# Altium PCB BE200.PcbDoc (part 6 of 6)
Units mm, origin at the board's own origin, x right, y up, seen from the top; angles counter-clockwise.
Board outline 91.25 x 134.75 mm, 4 copper layers (Top Layer, Mid-Top Layer, Mid-Bottom Layer, Bottom Layer); 574 components, 120 nets, 2403 pads, 3712 vias.
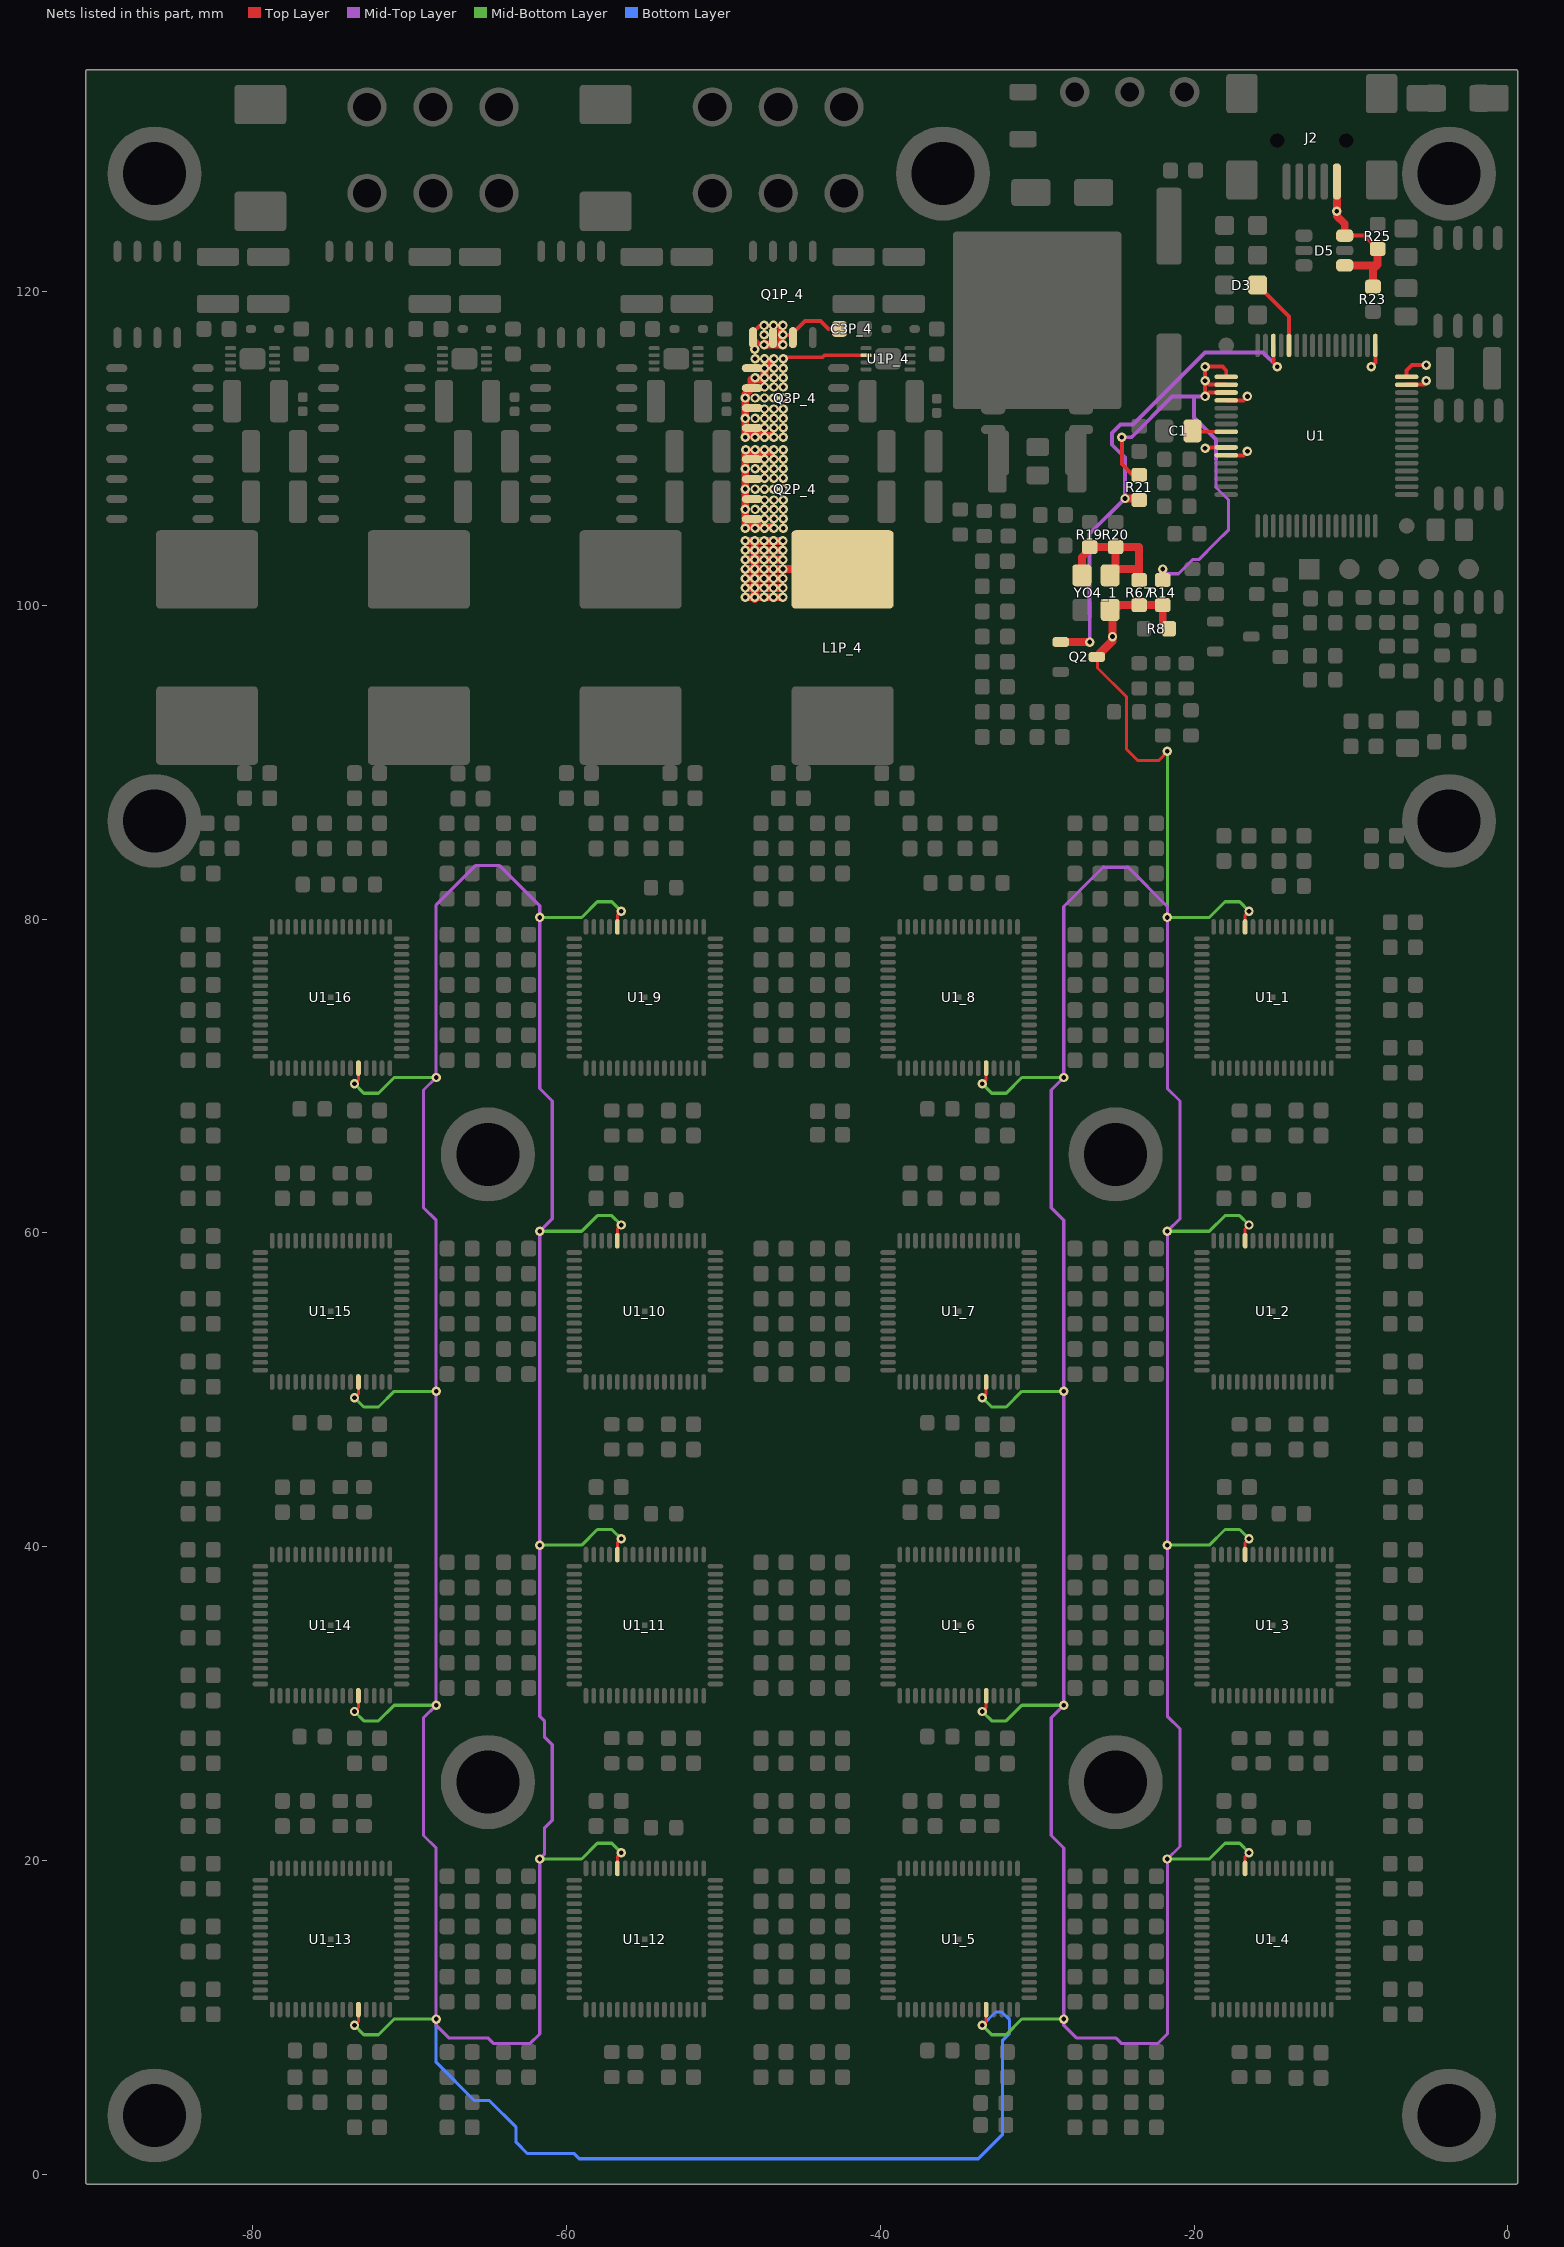
[diagram p8: the nets of this part, all layers, seen from the top]

## Via types
v1: diameter 0.6, hole 0.3, Top Layer to Bottom Layer, tented both sides, 3679 vias
v2: diameter 0.6/0.6/0.6/0.6 (per signal layer), hole 0.3, Top Layer to Bottom Layer, 33 vias

## Nets (pads, with @x,y where several pads share a name; then routed paths per layer and width w, separated by ;. In a path a pad name is that pad's centre, name@x,y a point inside that pad or via, vN(x,y) a via of type N, cw(c..) or ccw(c..) an arc to the next point about the centre after c; other vN are vias at no path point) (continued)
SWN4: C3P_4.2 L1P_4.1 Q1P_4.1 Q1P_4.2 Q1P_4.3 Q2P_4.5 Q2P_4.6 Q2P_4.7 Q2P_4.8 Q3P_4.5 Q3P_4.6 Q3P_4.7 Q3P_4.8 U1P_4.2 | length 54.8
  Top Layer w0.25: Q1P_4.1@-48.105,117.05 -47.655,116.6 v1(-47.4,116.6) ; Q1P_4.1@-48.1,117.4 -47.7,117.8 v1@-46.8,117.8 ; v1(-46.2,117.225) -45.675,117.225 -44.8,118.1 -43.8,118.1 -43.3,117.6 C3P_4.2@-42.6,117.6 ; v1@-46,115.8 -43.675,115.8 -43.55,115.925 U1P_4.2@-40.9,115.925
  Top Layer w0.5: v1(-48.6,100.5) v1@-46.175,100.5 ; v1(-48.6,101.1) v1@-46.175,101.1 ; v1(-48.6,101.7) v1@-46.175,101.7 ; v1(-48.6,102.9) v1@-46.175,102.9 ; v1(-48.6,103.5) v1@-46.175,103.5 ; v1(-48.6,104.1) v1@-46.175,104.1 ; v1@-48,100.4 v1(-48,104.1) ; v1(-47.4,116.6) v1@-46.3,116.6 ; v1@-46.975,109.8 -48.6,109.8 -48.6,105 v1@-46.875,105 ; v1@-46.975,115.6 -47.381,115.194 -47.381,114.469 -47.469,114.381 -48.194,114.381 -48.194,113.835 -48.6,113.429 -48.6,110.8 v1@-46.875,110.8 ; v1@-46.3,117.825 v1@-46.3,116.6 ; v1(-46.2,116.6) v1@-46.3,116.6 ; v1@-46.175,102.3 v1(-48.6,102.3) L1P_4.1@-44.4,102.3
  other v1: -48,100.5 -47.4,100.5 -46.8,100.5 -46.2,100.5 -48,101.1 -47.4,101.1 -46.8,101.1 -46.2,101.1 -48,101.7 -47.4,101.7 -46.8,101.7 -46.2,101.7 -48,102.3 -47.4,102.3 -46.8,102.3 -46.2,102.3 -48,102.9 -47.4,102.9 -46.8,102.9 -46.2,102.9 -48,103.5 -47.4,103.5 -46.8,103.5 -46.2,103.5 -47.4,104.1 -46.8,104.1 -46.2,104.1 -48.6,104.9 -47.975,104.9 -47.375,104.9 -46.775,104.9 -46.175,104.9 -47.375,105.5 -46.775,105.5 -46.175,105.5 -48.6,106.1 -47.975,106.1 -47.375,106.1 -46.775,106.1 -46.175,106.1 -47.375,106.7 -46.775,106.7 -46.175,106.7 -48.6,107.4 -47.975,107.4 -47.375,107.4 -46.775,107.4 -46.175,107.4 -47.375,108.1 -46.775,108.1 -46.175,108.1 -48.6,108.7 -47.975,108.7 -47.375,108.7 -46.775,108.7 -46.175,108.7 -47.375,109.3 -46.775,109.3 -46.175,109.3 -48.575,109.9 -47.975,109.9 -47.375,109.9 -46.775,109.9 -46.175,109.9 -48.6,110.7 -47.975,110.7 -47.375,110.7 -46.775,110.7 -46.175,110.7 -47.375,111.3 -46.775,111.3 -46.175,111.3 -48.6,111.9 -47.975,111.9 -47.375,111.9 -46.775,111.9 -46.175,111.9 -47.375,112.5 -46.775,112.5 -46.175,112.5 -48.6,113.2 -47.975,113.2 -47.375,113.2 -46.775,113.2 -46.175,113.2 -47.375,113.9 -46.775,113.9 -46.175,113.9 -47.975,114.5 -47.375,114.5 -46.775,114.5 -46.175,114.5 -47.375,115.1 -46.775,115.1 -46.175,115.1 -47.975,115.7 -47.375,115.7 -46.775,115.7 -46.175,115.7 -48,116.3 -47.4,117.225 -47.4,117.825 -46.8,117.825 -46.2,117.825
TPD4: U1.52 | length 1.1
  Top Layer w0.25: U1.52@-17.95,113.05 -16.85,113.05
  other v1: -16.6,113.3
TPF0: U1.58 | length 1.2
  Top Layer w0.25: v1@-19.1,110 -19.05,110.05 U1.58@-17.95,110.05
  other v1: -19.3,110
TPF1: U1.59 | length 1.5
  Top Layer w0.25: U1.59@-17.95,109.55 -16.85,109.55 v1(-16.6,109.8)
TPF3: U1.33 | length 1.5
  Top Layer w0.25: v1(-8.7,115.2) -8.45,115.45 U1.33@-8.45,116.55
U2RX: U1.31 | length 1.4
  Top Layer w0.25: U1.31@-6.45,114.05 -6.425,114.075 -5.325,114.075 -5.3,114.1 v1@-5.3,114.3
  other v1: -5.2,114.3
U2TX: U1.32 | length 1.7
  Top Layer w0.25: U1.32@-6.45,114.55 -6.45,114.95 -6.1,115.3 v1@-5.3,115.3
  other v1: -5.2,115.3
USB5.0V: D5.4 D5.6 J2.1 R23.1 R25.2 | length 10.7
  Top Layer w0.25: D5.6@-10.4,123.55 -9.15,123.55 R25.2@-8.3,122.7
  Top Layer w0.5: J2.1@-10.9,127.04 -10.9,126.9 v1(-10.9,125.1) -10.9,124.8 -10.4,124.3 D5.6@-10.4,123.55 ; D5.4@-10.4,121.65 -8.35,121.65 ; R23.1@-8.6,120.3 -8.6,121.4 -8.35,121.65 ; R25.2@-8.3,122.7 -8.3,121.7 -8.35,121.65
VCAP: C1.1 U1.56 | length 2
  Top Layer w0.25: C1.1@-19.9,111.1 -19.85,111.05 U1.56@-17.95,111.05
VDDOSC: R19.1 R20.1 R67.2 YO4_1.1 YO4_1.4 | length 10.3
  Top Layer w0.5: YO4_1.1@-27,101.75 YO4_1.1@-27.15,101.9 -27.15,103.05 -26.5,103.7 R20.1@-25,103.7 ; R67.2@-23.619,101.784 R67.2@-23.5,101.903 ; R67.2@-23.5,101.85 -23.5,103.7 R20.1@-25,103.7 ; -23.5,102.3 -24.95,102.3 -25,102.25 R20.1@-25,103.7
XCLK0: Q2.1 R21.1 U1.46 | length 32.1
  Top Layer w0.25: U1.46@-14.95,116.55 -14.95,115.45 v1(-14.7,115.2)
  Top Layer w0.5: Q2.1@-28.5,97.65 v1(-26.65,97.65) ; v1(-24.4,106.8) -23.9,106.8 -23.8,106.7 R21.1@-23.5,106.7
  Mid-Top Layer w0.2: v1(-26.65,97.65) -26.65,99.4 ; v1@-24.4,106.6 v1(-24.4,106.8)
  Mid-Top Layer w0.25: -26.65,99.4 -26.65,104.55 v1(-24.4,106.8) -24.4,109.4 -25.225,110.225 -25.225,110.975 -24.7,111.5 -23.899,111.5 -22.4,112.999 -19.299,116.1 -15.6,116.1 v1(-14.7,115.2)
XCLK1: R14.2 R21.2 U1.49 U1.50 U1.51 | length 31.7
  Top Layer w0.25: v1(-24.6,110.7) -24.6,108.984 -23.916,108.3 R21.2@-23.5,108.3 ; R14.2@-22,101.6 v1(-22,102.3) ; U1.51@-17.95,113.55 -19.05,113.55 v1(-19.3,113.3) v1(-19.3,114.3) ; U1.50@-17.95,114.05 -19.05,114.05 v1(-19.3,114.3) ; U1.49@-17.95,114.55 -17.95,114.95 -18.2,115.2 v1(-19.3,115.2) v1(-19.3,114.3)
  Mid-Top Layer w0.2: v1(-22,102.3) -21.7,102 -20.996,102 -20.096,102.9 -19.7,102.9 -18.6,104 -18.6,104.001 -17.8,104.801 -17.8,106.7 -18.6,107.5 -18.6,109.3
  Mid-Top Layer w0.25: v1(-24.6,110.7) -24,110.7 -21.4,113.3 -20,113.3 ; v1(-19.3,113.3) -20,113.3 ; -18.6,109.3 -18.6,110.55 -20,111.95 -20,113.3
XCLKIN: Q2.3 R8.1 R14.1 R67.1 U1_1.12 U1_2.12 U1_3.12 U1_4.12 U1_5.12 U1_6.12 U1_7.12 U1_8.12 U1_9.12 U1_10.12 U1_11.12 U1_12.12 U1_13.12 U1_14.12 U1_15.12 U1_16.12 YO4_1.3 | length 518.3
  Top Layer w0.2: v1(-73.5,9.5) -73.25,9.75 U1_13.12@-73.25,10.5 ; v1(-73.5,29.5) -73.25,29.75 U1_14.12@-73.25,30.5 ; v1(-73.5,49.5) -73.25,49.75 U1_15.12@-73.25,50.5 ; v1(-73.5,69.5) -73.25,69.75 U1_16.12@-73.25,70.5 ; U1_12.12@-56.75,19.5 -56.75,20.25 v1(-56.5,20.5) ; U1_11.12@-56.75,39.5 -56.75,40.25 v1(-56.5,40.5) ; U1_10.12@-56.75,59.5 -56.75,60.25 v1(-56.5,60.5) ; U1_9.12@-56.75,79.5 -56.75,80.25 v1(-56.5,80.5) ; v1(-33.5,9.5) -33.25,9.75 U1_5.12@-33.25,10.5 ; v1(-33.5,29.5) -33.25,29.75 U1_6.12@-33.25,30.5 ; v1(-33.5,49.5) -33.25,49.75 U1_7.12@-33.25,50.5 ; v1(-33.5,69.5) -33.25,69.75 U1_8.12@-33.25,70.5 ; v1(-25.2,98) -26.15,97.05 -26.15,96 -24.3,94.15 -24.3,90.8 -23.6,90.1 -22.251,90.1 -21.7,90.651 v1(-21.7,90.7) ; U1_4.12@-16.75,19.5 -16.75,20.25 v1(-16.5,20.5) ; U1_3.12@-16.75,39.5 -16.75,40.25 v1(-16.5,40.5) ; U1_2.12@-16.75,59.5 -16.75,60.25 v1(-16.5,60.5) ; U1_1.12@-16.75,79.5 -16.75,80.25 v1(-16.5,80.5)
  Top Layer w0.5: Q2.3@-26.2,96.7 -25.2,97.7 -25.2,99.55 -25.15,99.6 -24.75,100 R67.1@-23.5,100 R14.1@-22,100 -22,98.9 R8.1@-21.6,98.5
  Mid-Top Layer w0.2: -21.7,9.2 -21.7,9.4 ; -21.7,9.4 v1(-21.7,20.1) -20.9,20.9 -20.9,28.4 -21.7,29.2 v1(-21.7,60.1) -20.9,60.9 -20.9,68.4 -21.7,69.2 v1(-21.7,80.1) -21.7,80.8 -24.2,83.3 -25.8,83.3 -28.3,80.8 v1(-28.3,69.9) -29.1,69.1 -29.1,61.6 -28.3,60.8 v1(-28.3,29.9) -29.1,29.1 -29.1,21.6 -28.3,20.8 v1(-28.3,9.9) -28.3,9.5 -27.5,8.7 -25,8.7 -24.65,8.35 -22.301,8.35 -21.7,8.951 -21.7,9.4 ; -69.1,21.6 -69.1,29.1 v1(-68.3,29.9) -68.3,60.8 -69.1,61.6 -69.1,69.1 v1(-68.3,69.9) -68.3,80.9 -65.8,83.4 -64.25,83.4 -61.7,80.85 v1(-61.7,80.1) -61.7,69.2 -60.9,68.4 -60.9,60.9 v1(-61.7,60.1) v1(-61.7,40.1) -61.7,29.2 -61.4,28.9 -61.4,27.884 -60.9,27.384 -60.9,22.566 -61.4,22.066 -61.4,20.4 v1(-61.7,20.1) -61.7,8.951 -62.301,8.35 -64.65,8.35 -65,8.7 -67.5,8.7 -68.3,9.5 v1(-68.3,9.9) -68.3,20.8 -69.1,21.6
  Mid-Bottom Layer w0.2: v1(-73.5,9.5) -72.9,8.9 -71.975,8.9 -70.975,9.9 v1(-68.3,9.9) ; v1(-73.5,29.5) -72.9,28.9 -71.975,28.9 -70.975,29.9 v1(-68.3,29.9) ; v1(-73.5,49.5) -72.9,48.9 -71.975,48.9 -70.975,49.9 v1(-68.3,49.9) ; v1(-73.5,69.5) -72.9,68.9 -71.975,68.9 -70.975,69.9 v1(-68.3,69.9) ; v1(-61.7,20.1) -59.025,20.1 -58.025,21.1 -57.1,21.1 v1(-56.5,20.5) ; v1(-61.7,40.1) -59.025,40.1 -58.025,41.1 -57.1,41.1 v1(-56.5,40.5) ; v1(-61.7,60.1) -59.025,60.1 -58.025,61.1 -57.1,61.1 v1(-56.5,60.5) ; v1(-61.7,80.1) -59.025,80.1 -58.025,81.1 -57.1,81.1 v1(-56.5,80.5) ; v1(-33.5,9.5) -32.9,8.9 -31.975,8.9 -30.975,9.9 v1(-28.3,9.9) ; v1(-33.5,29.5) -32.9,28.9 -31.975,28.9 -30.975,29.9 v1(-28.3,29.9) ; v1(-33.5,49.5) -32.9,48.9 -31.975,48.9 -30.975,49.9 v1(-28.3,49.9) ; v1(-33.5,69.5) -32.9,68.9 -31.975,68.9 -30.975,69.9 v1(-28.3,69.9) ; v1(-21.7,20.1) -19.025,20.1 -18.025,21.1 -17.1,21.1 v1(-16.5,20.5) ; v1(-21.7,40.1) -19.025,40.1 -18.025,41.1 -17.1,41.1 v1(-16.5,40.5) ; v1(-21.7,60.1) -19.025,60.1 -18.025,61.1 -17.1,61.1 v1(-16.5,60.5) ; v1(-21.7,90.7) v1(-21.7,80.1) -19.025,80.1 -18.025,81.1 -17.1,81.1 v1(-16.5,80.5)
  Bottom Layer w0.2: v1(-68.3,9.9) -68.3,7.149 -65.851,4.7 -64.9,4.7 -63.2,3 -63.2,2.049 -62.476,1.325 -59.5,1.325 -59.175,1 -33.75,1 -32.2,2.55 -32.2,8.55 -31.75,9 -31.75,9.85 -32.25,10.35 -32.65,10.35 v1(-33.5,9.5)
YELLOW: D3.2 U1.44 | length 4.7
  Top Layer w0.25: D3.2@-15.95,120.4 -13.95,118.4 U1.44@-13.95,116.55
pads on no net: J2.4 J2.10 J2.11 U1.65 U1.66 U6.2 U6.3 U6.4 U7.2 U7.3 U7.4 U8.3 U8.4
copper on no net: | length 215
  Top Layer w0.5: -81.2,11 v1(-80.3,11) ; -81.2,19 v1(-80.3,19) ; -81.2,23 -79.4,23 ; -81.2,27 v1(-80.3,27) ; -81.2,31 v1(-80.3,31) ; -81.2,39 v1(-80.3,39) ; -81.2,43 v1(-80.3,43) ; -81.2,47 v1(-80.3,47) ; -81.2,51 v1(-80.3,51) ; -81.2,59 v1(-80.3,59) ; -81.2,63 -79.4,63 ; -81.2,67 v1(-80.3,67) ; -81.2,71.8 v1(-80.3,71.8) ; -81.2,78.3 v1(-80.3,78.3) ; -81.2,82.1 v1(-80.3,82.1) ; -80.8,10.4 v1(-80.3,10.4) ; -80.8,11.6 v1(-80.3,11.6) ; -80.8,18.4 v1(-80.3,18.4) ; -80.8,19.6 v1(-80.3,19.6) ; -80.8,22.4 v1(-80.3,22.4) -79.8,22.4 ; -80.8,23.6 v1(-80.3,23.6) -79.8,23.6 ; -80.8,26.4 v1(-80.3,26.4) ; -80.8,27.6 v1(-80.3,27.6) ; -80.8,30.4 v1(-80.3,30.4) ; -80.8,31.6 v1(-80.3,31.6) ; -80.8,38.4 v1(-80.3,38.4) ; -80.8,39.6 v1(-80.3,39.6) ; -80.8,42.4 v1(-80.3,42.4) ; -80.8,43.6 v1(-80.3,43.6) ; -80.8,46.4 v1(-80.3,46.4) ; -80.8,47.6 v1(-80.3,47.6) ; -80.8,50.4 v1(-80.3,50.4) ; -80.8,51.6 v1(-80.3,51.6) ; -80.8,58.4 v1(-80.3,58.4) ; -80.8,59.6 v1(-80.3,59.6) ; -80.8,62.4 v1(-80.3,62.4) -79.8,62.4 ; -80.8,63.6 v1(-80.3,63.6) -79.8,63.6 ; -80.8,66.4 v1(-80.3,66.4) ; -80.8,67.6 v1(-80.3,67.6) ; -80.8,71.2 v1(-80.3,71.2) ; -80.8,72.4 v1(-80.3,72.4) ; -80.8,77.7 v1(-80.3,77.7) ; -80.8,78.9 v1(-80.3,78.9) ; -80.8,81.5 v1(-80.3,81.5) ; -80.8,82.7 v1(-80.3,82.7) ; v1@-80.3,42.3 -79.8,42.3 ; v1@-80.3,42.9 -79.4,42.9 ; v1@-80.3,43.5 -79.8,43.5 ; -80.101,85.3 v1(-79.201,85.3) -78.301,85.3 ; -79.651,84.7 -78.701,84.7 ; -79.651,85.9 -78.701,85.9 ; -70.701,85.3 v1(-69.801,85.3) -68.901,85.3 ; -70.7,7 v1(-69.8,7) -68.9,7 ; -70.7,47 -68.9,47 ; -70.6,3.8 v1(-69.7,3.8) -68.8,3.8 ; -70.25,6.4 -69.3,6.4 ; -70.25,7.6 -69.3,7.6 ; -70.25,46.4 -69.3,46.4 ; -70.25,47.6 -69.3,47.6 ; -70.251,84.7 -69.301,84.7 ; -70.251,85.9 -69.301,85.9 ; -70.15,3.2 -69.2,3.2 ; -70.15,4.4 -69.2,4.4 ; v1@-69.8,42.4 -69.3,42.4 ; v1@-69.8,43 -68.9,43 ; v1@-69.8,43.6 -69.3,43.6 ; v1(-69.8,82.1) -68.9,82.1 ; v1(-69.8,82.7) -69.3,82.7 ; v1(-69.8,83.3) -69.3,83.3 ; -66,43 v1(-65.1,43) -64.2,43 ; -65.9,47 v1(-65,47) -64.1,47 ; -65.55,42.4 -64.6,42.4 ; -65.55,43.6 -64.6,43.6 ; -65.45,46.4 -64.5,46.4 ; -65.45,47.6 -64.5,47.6 ; -61.2,43 v1(-60.3,43) -59.4,43 ; -61.2,82.1 v1(-60.3,82.1) ; -61.2,85.3 v1(-60.3,85.3) -59.4,85.3 ; -61.1,7 v1(-60.2,7) ; -61.1,47 v1@-60.2,47 ; -60.75,42.4 -59.8,42.4 ; -60.75,43.6 -59.8,43.6 ; -60.75,81.5 v1(-60.3,81.5) ; -60.75,82.7 v1(-60.3,82.7) ; -60.75,84.7 -59.8,84.7 ; -60.75,85.9 -59.8,85.9 ; -60.7,6.4 v1(-60.2,6.4) ; -60.7,7.6 v1(-60.2,7.6) ; -60.7,46.4 v1@-60.2,46.4 ; -60.7,47.6 v1@-60.2,47.6 ; -50.7,7 v1(-49.8,7) -48.9,7 ; -50.7,27 -48.9,27 ; -50.7,47 -48.9,47 ; -50.7,67 -48.9,67 ; -50.25,6.4 -49.3,6.4 ; -50.25,7.6 -49.3,7.6 ; -50.25,26.4 v1@-49.3,26.4 ; -50.25,27.6 v1@-49.3,27.6 ; -50.25,46.4 -49.3,46.4 ; -50.25,47.6 -49.3,47.6 ; -50.25,66.4 v1@-49.3,66.4 ; -50.25,67.6 v1@-49.3,67.6 ; v1@-49.8,22.4 -49.3,22.4 ; v1@-49.8,23 -48.9,23 ; v1@-49.8,23.6 -49.3,23.6 ; v1@-49.8,42.4 -49.3,42.4 ; v1@-49.8,43 -48.9,43 ; v1@-49.8,43.6 -49.3,43.6 ; v1@-49.8,62.4 v1@-49.3,62.4 ; v1@-49.8,63 -48.9,63 ; v1@-49.8,63.6 v1@-49.3,63.6 ; v1(-49.8,81.5) -49.3,81.5 ; v1(-49.8,82.1) -48.9,82.1 ; v1(-49.8,82.7) -49.3,82.7 ; v1(-49.8,84.7) -49.3,84.7 ; v1(-49.8,85.3) -48.9,85.3 ; v1(-49.8,85.9) -49.3,85.9 ; -45.9,43 v1(-45,43) -44.1,43 ; -45.9,47 v1(-45,47) -44.1,47 ; -45.9,63 v1(-45,63) -44.1,63 ; -45.45,42.4 -44.5,42.4 ; -45.45,43.6 -44.5,43.6 ; -45.45,46.4 -44.5,46.4 ; -45.45,47.6 -44.5,47.6 ; -45.45,62.4 -44.5,62.4 ; -45.45,63.6 -44.5,63.6 ; -41.2,43 v1(-40.3,43) -39.4,43 ; -41.2,63 v1(-40.3,63) -39.4,63 ; -41.2,82.1 -41.1,82.1 ; -41.2,85.3 v1(-40.3,85.3) -39.4,85.3 ; -41.1,7 v1(-40.2,7) ; -41.1,27 v1@-40.2,27 ; -41.1,47 v1@-40.2,47 ; -41.1,67 v1@-40.2,67 ; -41,23 -39.2,23 ; -40.75,42.4 -39.8,42.4 ; -40.75,43.6 -39.8,43.6 ; -40.75,62.4 -39.8,62.4 ; -40.75,63.6 -39.8,63.6 ; -40.75,84.7 -39.8,84.7 ; -40.75,85.9 -39.8,85.9 ; -40.7,6.4 v1(-40.2,6.4) ; -40.7,7.6 v1(-40.2,7.6) ; -40.7,26.4 v1@-40.2,26.4 ; -40.7,27.6 v1@-40.2,27.6 ; -40.7,46.4 v1@-40.2,46.4 ; -40.7,47.6 v1@-40.2,47.6 ; -40.7,66.4 v1@-40.2,66.4 ; -40.7,67.6 v1@-40.2,67.6 ; -40.55,22.4 -39.6,22.4 ; -40.55,23.6 -39.6,23.6 ; v1(-40.3,82.1) -41.1,82.1 ; v1(-40.3,83.3) -40.3,82.9 -41.1,82.1 ; v1(-35.7,91.8) -35.2,91.8 ; v1(-35.7,92.4) -34.8,92.4 ; v1(-35.7,93) -35.2,93 ; v1(-35.7,95) -35.2,95 ; v1(-35.7,95.6) -34.8,95.6 ; v1(-35.7,96.2) -35.2,96.2 ; v1(-35.7,98.2) -35.2,98.2 ; v1(-35.7,98.8) -34.8,98.8 ; v1(-35.7,99.4) -35.2,99.4 ; -30.7,7 v1(-29.8,7) -28.9,7 ; -30.7,47 -28.9,47 ; -30.25,6.4 -29.3,6.4 ; -30.25,7.6 -29.3,7.6 ; -30.25,46.4 -29.3,46.4 ; -30.25,47.6 -29.3,47.6 ; v1@-29.8,42.4 -29.3,42.4 ; v1@-29.8,43 -28.9,43 ; v1@-29.8,43.6 -29.3,43.6 ; v1(-29.8,82.1) -28.9,82.1 ; v1(-29.8,82.7) -29.3,82.7 ; v1(-29.8,83.3) -29.3,83.3 ; v1(-29.8,84.7) -29.3,84.7 ; v1(-29.8,85.3) -28.9,85.3 ; v1(-29.8,85.9) -29.3,85.9 ; -27.3,91.15 -27.05,90.9 v1(-26.2,90.9) ; -26.876,91.574 -26.801,91.5 v1(-26.2,91.5) ; -26.7,92.1 v1(-26.2,92.1) ; -25.9,43 v1(-25,43) -24.1,43 ; -25.85,47 v1(-24.95,47) -24.05,47 ; -25.45,42.4 -24.5,42.4 ; -25.45,43.6 -24.5,43.6 ; -25.4,46.4 -24.45,46.4 ; -25.4,47.6 -24.45,47.6 ; -21.2,43 v1(-20.3,43) -19.4,43 ; -21.1,7 v1(-20.2,7) ; -21.1,82.1 v1(-20.2,82.1) ; -21.1,85.3 v1(-20.2,85.3) ; -21.05,47 v1(-20.15,47) ; -20.75,42.4 -19.8,42.4 ; -20.75,43.6 -19.8,43.6 ; -20.7,6.4 v1(-20.2,6.4) ; -20.7,7.6 v1(-20.2,7.6) ; -20.7,81.5 v1(-20.2,81.5) ; -20.7,82.7 v1(-20.2,82.7) ; -20.7,84.7 v1(-20.2,84.7) ; -20.7,85.9 v1(-20.2,85.9) ; -20.65,46.4 v1(-20.15,46.4) ; -20.65,47.6 v1(-20.15,47.6) ; -11.8,84.5 v1(-10.9,84.5) -10,84.5 ; -11.35,83.9 -10.4,83.9 ; -11.35,85.1 -10.4,85.1 ; -10.6,7 v1(-9.7,7) ; -10.6,27 v1(-9.7,27) -8.8,27 ; -10.6,47 v1(-9.7,47) -8.8,47 ; -10.6,67 v1(-9.7,67) -8.8,67 ; -10.2,6.4 v1(-9.7,6.4) ; -10.2,7.6 v1(-9.7,7.6) ; -10.2,26.4 v1(-9.7,26.4) -9.2,26.4 ; -10.2,27.6 v1(-9.7,27.6) -9.2,27.6 ; -10.2,46.4 v1(-9.7,46.4) -9.2,46.4 ; -10.2,47.6 v1(-9.7,47.6) -9.2,47.6 ; -10.2,66.4 v1(-9.7,66.4) -9.2,66.4 ; -10.2,67.6 v1(-9.7,67.6) -9.2,67.6 ; v1(-9.7,10.4) -9.2,10.4 ; v1(-9.7,11) -8.8,11 ; v1(-9.7,11.6) -9.2,11.6 ; v1(-9.7,18.4) -9.2,18.4 ; v1(-9.7,19) -8.8,19 ; v1(-9.7,19.6) -9.2,19.6 ; v1(-9.7,22.4) -9.2,22.4 ; v1(-9.7,23) -8.8,23 ; v1(-9.7,23.6) -9.2,23.6 ; v1(-9.7,30.4) -9.2,30.4 ; v1(-9.7,31) -8.8,31 ; v1(-9.7,31.6) -9.2,31.6 ; v1(-9.7,38.4) -9.2,38.4 ; v1(-9.7,39) -8.8,39 ; v1(-9.7,39.6) -9.2,39.6 ; v1(-9.7,42.4) -9.2,42.4 ; v1(-9.7,43) -8.8,43 ; v1(-9.7,43.6) -9.2,43.6 ; v1(-9.7,50.4) -9.2,50.4 ; v1(-9.7,51) -8.8,51 ; v1(-9.7,51.6) -9.2,51.6 ; v1(-9.7,58.4) -9.2,58.4 ; v1(-9.7,59) -8.8,59 ; v1(-9.7,59.6) -9.2,59.6 ; v1(-9.7,62.4) -9.2,62.4 ; v1(-9.7,63) -8.8,63 ; v1(-9.7,63.6) -9.2,63.6 ; v1(-9.7,70.4) -9.2,70.4 ; v1(-9.7,71) -8.8,71 ; v1(-9.7,71.6) -9.2,71.6 ; v1(-9.7,78.4) -9.2,78.4 ; v1(-9.7,79) -8.8,79 ; v1(-9.7,79.6) -9.2,79.6
  other v1: -69.7,3.2 -69.7,4.4 -69.8,6.4 -49.8,6.4 -29.8,6.4 -69.8,7.6 -49.8,7.6 -29.8,7.6 -49.65,22.4 -40.25,22.4 -80.3,23 -49.65,23 -40.25,23 -49.65,23.6 -40.25,23.6 -49.5,26.4 -40.35,26.4 -49.5,27 -40.35,27 -49.5,27.6 -40.35,27.6 -69.65,42.4 -65.1,42.4 -60.3,42.4 -49.7,42.4 -45,42.4 -40.3,42.4 -29.65,42.4 -25,42.4 -20.3,42.4 -69.65,43 -49.7,43 -29.65,43 -69.65,43.6 -65.1,43.6 -60.3,43.6 -49.7,43.6 -45,43.6 -40.3,43.6 -29.65,43.6 -25,43.6 -20.3,43.6 -69.65,46.4 -65,46.4 -60.35,46.4 -49.7,46.4 -45,46.4 -40.35,46.4 -29.65,46.4 -24.95,46.4 -69.65,47 -60.35,47 -49.7,47 -40.35,47 -29.65,47 -69.65,47.6 -65,47.6 -60.35,47.6 -49.7,47.6 -45,47.6 -40.35,47.6 -29.65,47.6 -24.95,47.6 -49.5,62.4 -45,62.4 -40.3,62.4 -80.3,63 -49.5,63 -49.5,63.6 -45,63.6 -40.3,63.6 -49.5,66.4 -40.35,66.4 -49.5,67 -40.35,67 -49.5,67.6 -40.35,67.6 -40.3,82.7 -10.9,83.9 -79.201,84.7 -69.801,84.7 -60.3,84.7 -40.3,84.7 -10.9,85.1 -79.201,85.9 -69.801,85.9 -60.3,85.9 -40.3,85.9

## Polygon pours and split planes (outlines as drawn)
GND on Top Layer "PSGNDT" (solid, pour order 80): -83.95,116.4 -79.1,116.4 -79.1,114.85 -79.8,114.15 -79.8,111.4 -79.5,111.1 -79.5,104.8 -83.95,104.8
0.8V on Top Layer "PS0.8VT" (solid, remove dead copper, pour order 84): -90,89.7 -76,89.7 -76,115 -90,115
GND on Top Layer "CONGNDT" (solid, pour order 88): -89.5,123.5 -84,129 -36,129 -36,134 -89.5,134
12V on Top Layer "PS12VT" (solid, pour order 89): -89.5,118.5 -36,118.5 -36,127.5 -36,129 -84,129 -89.5,123.5
SWN1 on Top Layer "SWNT" (solid, pour order 52): -83.95,116.15 -85.05,116.15 -85.35,116.45 -85.45,116.55 -85.45,117.4 -85.45,117.8 -85.75,118.1 -88.85,118.1 -89.35,117.6 -89.35,115.15 -89.35,99.75 -83.95,99.75
SWN2 on Top Layer "SWNT" (solid, pour order 53): -70.45,116.15 -71.55,116.15 -71.85,116.45 -71.95,116.55 -71.95,117.4 -71.95,117.8 -72.25,118.1 -75.35,118.1 -75.85,117.6 -75.85,115.15 -75.85,99.75 -70.45,99.75
0.8V on Top Layer "PS0.8VT" (solid, remove dead copper, pour order 85): -76.5,89.7 -62.5,89.7 -62.5,115 -76.5,115
GND on Top Layer "PSGNDT" (solid, pour order 81): -70.45,116.4 -65.6,116.4 -65.6,114.85 -66.3,114.15 -66.3,111.4 -66,111.1 -66,104.8 -70.45,104.8
SWN3 on Top Layer "SWNT" (solid, pour order 54): -56.95,116.15 -58.05,116.15 -58.35,116.45 -58.45,116.55 -58.45,117.4 -58.45,117.8 -58.75,118.1 -61.85,118.1 -62.35,117.6 -62.35,115.15 -62.35,99.75 -56.95,99.75
0.8V on Top Layer "PS0.8VT" (solid, remove dead copper, pour order 86): -63,89.7 -49,89.7 -49,115 -63,115
GND on Top Layer "PSGNDT" (solid, pour order 82): -56.95,116.4 -52.1,116.4 -52.1,114.85 -52.8,114.15 -52.8,111.4 -52.5,111.1 -52.5,104.8 -56.95,104.8
GND on Top Layer "PSGNDT" (solid, pour order 83): -43.45,116.4 -38.6,116.4 -38.6,114.85 -39.3,114.15 -39.3,111.4 -39,111.1 -39,104.8 -43.45,104.8
0.8V on Top Layer "PS0.8VT" (solid, remove dead copper, pour order 87): -49.5,89.7 -35.5,89.7 -35.5,115 -49.5,115
SWN4 on Top Layer "SWNT" (solid, pour order 55): -43.45,116.15 -44.55,116.15 -44.85,116.45 -44.95,116.55 -44.95,117.4 -44.95,117.8 -45.25,118.1 -48.35,118.1 -48.85,117.6 -48.85,115.15 -48.85,99.75 -43.45,99.75
0.8V on Top Layer "ASIC0.8T" (solid, remove dead copper, pour order 91): -90.5,-0.6 0.5,-0.6 0.5,94.6 -90.5,94.6
GND on Top Layer "GNDT" (solid, remove dead copper, pour order 96): -90.5,134 0.5,134 0.5,-0.6 -90.5,-0.6
0.8V on Top Layer "Meas0.8VT" (solid, remove dead copper, pour order 92): -36.3,107.4 -33.2,107.4 -29.3,107.4 -26.1,107.4 -26.1,89.2 -36.3,89.2
GND on Mid-Bottom Layer "PSGNDMB" (solid, pour order 76): -83.95,116.4 -79.1,116.4 -79.1,114.85 -79.8,114.15 -79.8,111.4 -79.5,111.1 -79.5,104.8 -83.95,104.8
SWN1 on Mid-Bottom Layer "SWNMB" (solid, pour order 56): -83.95,116.15 -85.05,116.15 -85.35,116.45 -85.45,116.55 -85.45,117.4 -85.45,117.8 -85.75,118.1 -88.85,118.1 -89.35,117.6 -89.35,115.15 -89.35,99.75 -83.95,99.75
SWN2 on Mid-Bottom Layer "SWNMB" (solid, pour order 57): -70.45,116.15 -71.55,116.15 -71.85,116.45 -71.95,116.55 -71.95,117.4 -71.95,117.8 -72.25,118.1 -75.35,118.1 -75.85,117.6 -75.85,115.15 -75.85,99.75 -70.45,99.75
SWN3 on Mid-Bottom Layer "SWNMB" (solid, pour order 58): -56.95,116.15 -58.05,116.15 -58.35,116.45 -58.45,116.55 -58.45,117.4 -58.45,117.8 -58.75,118.1 -61.85,118.1 -62.35,117.6 -62.35,115.15 -62.35,99.75 -56.95,99.75
GND on Mid-Bottom Layer "PSGNDMB" (solid, pour order 78): -56.95,116.4 -52.1,116.4 -52.1,114.85 -52.8,114.15 -52.8,111.4 -52.5,111.1 -52.5,104.8 -56.95,104.8
GND on Mid-Bottom Layer "PSGNDMB" (solid, pour order 79): -43.45,116.4 -38.6,116.4 -38.6,114.85 -39.3,114.15 -39.3,111.4 -39,111.1 -39,104.8 -43.45,104.8
SWN4 on Mid-Bottom Layer "SWNMB" (solid, pour order 59): -43.45,116.15 -44.55,116.15 -44.85,116.45 -44.95,116.55 -44.95,117.4 -44.95,117.8 -45.25,118.1 -48.35,118.1 -48.85,117.6 -48.85,115.15 -48.85,99.75 -43.45,99.75
GND on Mid-Bottom Layer "PSGNDMB" (solid, pour order 77): -70.45,116.4 -65.6,116.4 -65.6,114.85 -66.3,114.15 -66.3,111.4 -66,111.1 -66,104.8 -70.45,104.8
GND on Mid-Bottom Layer "GNDMB" (solid, remove dead copper, pour order 97): -90.5,134 0.4,134 0.5,134 0.5,-0.636 -90.49,-0.636 -90.5,-0.625
0.8V on Mid-Bottom Layer "GNDMB" (solid, remove dead copper, pour order 101): -90.45,134 0.45,134 0.55,134 0.55,-0.636 -90.44,-0.636 -90.45,-0.625
12V on Mid-Bottom Layer "PS12VMB" (solid, remove dead copper, pour order 95): -90.5,118.5 -83.9,118.5 -83.9,120.8 -76,120.8 -76,120.5 -70.4,120.5 -36,120.5 -36,129 -84,129 -90.5,122.5
12V on Mid-Top Layer "12VMTFix" (solid, remove dead copper, pour order 102): -90.5,120.2 -43.2,120.2 -43.2,124.8 -90.5,124.8
GND on Mid-Top Layer "PSGNDMT" (solid, pour order 72): -83.95,116.4 -79.1,116.4 -79.1,114.85 -79.8,114.15 -79.8,111.4 -79.5,111.1 -79.5,104.8 -83.95,104.8
SWN1 on Mid-Top Layer "SWNMT" (solid, pour order 64): -83.95,116.15 -85.05,116.15 -85.35,116.45 -85.45,116.55 -85.45,117.4 -85.45,117.8 -85.75,118.1 -88.85,118.1 -89.35,117.6 -89.35,115.15 -89.35,99.75 -83.95,99.75
0.8V on Mid-Top Layer "MidTopASIC0.8" (solid, remove dead copper, pour order 90): -90.5,-0.6 0.5,-0.6 0.5,94.6 -90.5,94.6
SWN2 on Mid-Top Layer "SWNMT" (solid, pour order 65): -70.45,116.15 -71.55,116.15 -71.85,116.45 -71.95,116.55 -71.95,117.4 -71.95,117.8 -72.25,118.1 -75.35,118.1 -75.85,117.6 -75.85,115.15 -75.85,99.75 -70.45,99.75
GND on Mid-Top Layer "PSGNDMT" (solid, pour order 73): -70.45,116.4 -65.6,116.4 -65.6,114.85 -66.3,114.15 -66.3,111.4 -66,111.1 -66,104.8 -70.45,104.8
SWN3 on Mid-Top Layer "SWNMT" (solid, pour order 66): -56.95,116.15 -58.05,116.15 -58.35,116.45 -58.45,116.55 -58.45,117.4 -58.45,117.8 -58.75,118.1 -61.85,118.1 -62.35,117.6 -62.35,115.15 -62.35,99.75 -56.95,99.75
GND on Mid-Top Layer "PSGNDMT" (solid, pour order 74): -56.95,116.4 -52.1,116.4 -52.1,114.85 -52.8,114.15 -52.8,111.4 -52.5,111.1 -52.5,104.8 -56.95,104.8
GND on Mid-Top Layer "PSGNDMT" (solid, pour order 75): -43.45,116.4 -38.6,116.4 -38.6,114.85 -39.3,114.15 -39.3,111.4 -39,111.1 -39,104.8 -43.45,104.8
SWN4 on Mid-Top Layer "SWNMT" (solid, pour order 67): -43.45,116.15 -44.55,116.15 -44.85,116.45 -44.95,116.55 -44.95,117.4 -44.95,117.8 -45.25,118.1 -48.35,118.1 -48.85,117.6 -48.85,115.15 -48.85,99.75 -43.45,99.75
0.8V on Mid-Top Layer "PS0.8MT" (solid, pour order 93): -90.5,94.5 -32.9,94.5 -32.9,106.4 -35.3,106.4 -35.9,107 -35.9,111.5 -90.5,111.5
GND on Mid-Top Layer "GNDMT" (solid, remove dead copper, pour order 94): -90.5,134 0.5,134 0.5,-0.6 -90.5,-0.6
GND on Bottom Layer "PSGNDB" (solid, pour order 68): -83.95,116.4 -79.1,116.4 -79.1,114.85 -79.8,114.15 -79.8,111.4 -79.5,111.1 -79.5,104.8 -83.95,104.8
SWN1 on Bottom Layer "SWNB" (solid, pour order 60): -83.95,116.15 -85.05,116.15 -85.35,116.45 -85.45,116.55 -85.45,117.4 -85.45,117.8 -85.75,118.1 -88.85,118.1 -89.35,117.6 -89.35,115.15 -89.35,99.75 -83.95,99.75
SWN2 on Bottom Layer "SWNB" (solid, pour order 61): -70.45,116.15 -71.55,116.15 -71.85,116.45 -71.95,116.55 -71.95,117.4 -71.95,117.8 -72.25,118.1 -75.35,118.1 -75.85,117.6 -75.85,115.15 -75.85,99.75 -70.45,99.75
GND on Bottom Layer "PSGNDB" (solid, pour order 69): -70.45,116.4 -65.6,116.4 -65.6,114.85 -66.3,114.15 -66.3,111.4 -66,111.1 -66,104.8 -70.45,104.8
SWN3 on Bottom Layer "SWNB" (solid, pour order 62): -56.95,116.15 -58.05,116.15 -58.35,116.45 -58.45,116.55 -58.45,117.4 -58.45,117.8 -58.75,118.1 -61.85,118.1 -62.35,117.6 -62.35,115.15 -62.35,99.75 -56.95,99.75
GND on Bottom Layer "PSGNDB" (solid, pour order 70): -56.95,116.4 -52.1,116.4 -52.1,114.85 -52.8,114.15 -52.8,111.4 -52.5,111.1 -52.5,104.8 -56.95,104.8
GND on Bottom Layer "PSGNDB" (solid, pour order 71): -43.45,116.4 -38.6,116.4 -38.6,114.85 -39.3,114.15 -39.3,111.4 -39,111.1 -39,104.8 -43.45,104.8
SWN4 on Bottom Layer "SWNB" (solid, pour order 63): -43.45,116.15 -44.55,116.15 -44.85,116.45 -44.95,116.55 -44.95,117.4 -44.95,117.8 -45.25,118.1 -48.35,118.1 -48.85,117.6 -48.85,115.15 -48.85,99.75 -43.45,99.75
GND on Bottom Layer "GNDB" (solid, remove dead copper, pour order 98): -90.45,134 0.45,134 0.55,134 0.55,-0.636 -90.44,-0.636 -90.45,-0.625
12V on Bottom Layer "12VB" (solid, remove dead copper, pour order 99): -90.5,120.2 -43.2,120.2 -43.2,124.8 -90.5,124.8
0.8V on Bottom Layer "0.8VB" (solid, remove dead copper, pour order 100): -90.45,134 0.45,134 0.55,134 0.55,-0.636 -90.44,-0.636 -90.45,-0.625

## Keep-outs
Keep-Out Layer:
  lines w0.25: -90.5,-0.6 -90.5,134.5 0.5,134.5 0.5,-0.6 -90.5,-0.6

## Other copper
Top Layer:
  text "TECHNOBIT" at -52.7,0 h3.2

## Silkscreen, mask and mechanical layers (free items; w line width, h text height)
Top Overlay:
  drawing of 12 lines, arcs and shapes, not listed

## Dimensions
-3.75,127.5 to -3.75,86.25 on Top Overlay
-25,65 to -25,25 on Top Overlay
-3.75,3.75 to -3.75,86.25 on Top Overlay
-3.75,127.5 to -86.25,127.5 on Top Overlay
-86.25,3.75 to -3.75,3.75 on Top Overlay
-65,25 to -25,25 on Top Overlay

## Text inside footprints (layer, text, board x,y; h text height)
J2: Top Assy "5" at -13.983,129 h0.5; Top Assy "1" at -10.84,129 h0.5
J3: Top Assy "3" at -28.733,133 h0.5; Top Assy "1" at -19.19,133 h0.5
J4: Top Assy "4" at -62.471,131.55 h0.5; Top Assy "3" at -74.083,126.6 h0.5; Top Assy "6" at -74.095,131.55 h0.5; Top Assy "1" at -62.59,126.6 h0.5
J5: Top Assy "4" at -40.471,131.55 h0.5; Top Assy "3" at -52.083,126.6 h0.5; Top Assy "6" at -52.095,131.55 h0.5; Top Assy "1" at -40.59,126.6 h0.5